# KiCad board 8851_HW-U1-VCU118_REV2-0_071417.kicad_pcb (continued)
## Routing (per net, layer and track width the routed paths; a pad name or vN(x,y) marks a point on that pad's centre or on a via; arc(x,y) is an arc through that point) (continued)
5340N35: length 4.3
  TOP w0.15: 211.85,112.57 212.41,112.57 212.71,112.28 212.71,111.63 v2(213.22,111.11) 214.21,111.11
  BOTTOM w0.15: 214.21,111.11 v2(213.22,111.11)
5340N44: length 2.1
  TOP w0.15: 208.94,113.8 207.98,113.8 207.64,113.46 206.97,113.46
5340N432: length 6.2
  TOP w0.15: v2(207.7,97.91) 207.67,97.88 206.83,97.88
  TOP w0.25: v2(209.21,101.17) 209.25,101.17 209.88,101.79 209.88,102.32
  BOTTOM w0.15: v2(207.7,97.91) 209.21,99.42 R1209.2 v2(209.21,101.17)
  vias: v2(211.21,108)
5340N433: length 3.9
  TOP w0.15: v3(213.5,100.86) 214.21,100.86
  TOP w0.175: 211.85,102.32 212.35,102.32 212.58,102.09 212.58,101.78 v3(213.5,100.86)
  BOTTOM w0.15: 214.21,100.86 v3(213.5,100.86)
5340N442: length 2.1
  TOP w0.175: 206.97,103.21 207.64,103.21 207.98,103.55 208.94,103.55
5340N809: length 6.3
  TOP w0.25: v2(209.21,90.92) 209.25,90.92 209.88,91.54 209.88,92.07
  TOP w0.375: 206.83,87.63 v2(207.83,87.63)
  BOTTOM w0.15: v2(209.21,90.92) R1210.2 209.21,89.01 v2(207.83,87.63)
  vias: v2(211.21,97.75)
5340N810: length 3.7
  TOP w0.15: v2(213.47,90.61) 214.21,90.61
  TOP w0.175: v2(213.47,90.61) 213.31,90.61 211.85,92.07
  BOTTOM w0.15: 214.21,90.61 v2(213.47,90.61)
5340N819: length 2.1
  TOP w0.212: 208.94,93.3 207.83,93.3 207.49,92.96 206.97,92.96
5340N1586: length 7.6
  TOP w0.25: v2(209.21,80.67) 209.25,80.67 209.88,81.29 209.88,81.82
  TOP w0.375: v3(205.88,79.72) 205.73,79.87 205.16,79.87 205.04,79.74
  BOTTOM w0.15: v2(209.21,80.67) R167.2 209.21,79.33 208.76,78.89 206.71,78.89 v3(205.88,79.72)
  vias: v2(211.21,87.5)
5340N1587: length 3.5
  TOP w0.212: 214.21,80.86 v2(213.47,80.86) 212.81,80.86 211.85,81.82
  BOTTOM w0.15: 214.21,80.86 v2(213.47,80.86)
5340N1593: length 2
  TOP w0.212: 206.97,82.96 207.74,82.96 207.83,83.05 208.94,83.05
CLK_125MHZ_N: length 105
  TOP w0.102: v3(163.16,15.49) 163.49,15.83 163.49,15.97 163.39,16.08 163.05,16.08 162.82,16.31 162.82,16.54 162.68,16.68 162.68,17.27 ; 132.62,64.31 v2(133.11,63.82)
  TOP w0.25: v3(162.95,20.19) 163.21,19.93 U122.17
  20_SIG7 w0.075: v2(133.11,63.82) 133.11,64.84 133.18,64.92 134.19,64.92 134.49,64.62 134.49,63.55 134.8,63.23 139.85,63.23 139.89,63.19 139.91,63.19
  20_SIG7 w0.087: 139.91,63.19 143.85,63.19 146.93,60.11 149.59,60.11 150.22,59.47 150.22,56.78 154.4,52.6 164.9,52.6 165.59,51.91 165.59,29.85 163.47,27.74 163.47,15.81 v3(163.16,15.49)
  BOTTOM w0.102: 151.34,59.18 148.49,59.18 148.12,59.56 145.4,59.56 142.28,62.67 142.28,63.62 140.74,65.16 133.92,65.16 133.57,64.81 133.27,64.81 133.11,64.64 v2(133.11,63.82)
CLK_125MHZ_P: length 105.7
  TOP w0.102: v3(164.07,15.49) 163.72,15.84 163.72,16.07 163.48,16.3 163.15,16.3 163.04,16.4 163.04,16.54 163.18,16.68 163.18,17.27 ; 132.62,65.3 v2(133.11,65.79)
  TOP w0.25: v3(164.72,20.7) 164.44,20.42 U122.18
  20_SIG7 w0.075: v2(133.11,65.79) 133.11,65.19 133.18,65.11 134.27,65.11 134.68,64.7 134.68,63.63 134.89,63.42 139.85,63.42 139.89,63.46 139.91,63.46
  20_SIG7 w0.087: v3(164.07,15.49) 163.75,15.81 163.75,27.62 165.86,29.73 165.86,52.03 165.01,52.88 154.51,52.88 150.5,56.89 150.5,59.59 149.7,60.39 147.04,60.39 143.97,63.46 139.91,63.46
  BOTTOM w0.102: v2(133.11,65.79) 133.11,65.14 133.21,65.03 133.47,65.03 133.83,65.39 140.83,65.39 142.51,63.71 142.51,62.77 145.49,59.78 148.13,59.78 148.52,60.17 151.34,60.17
  BOTTOM w0.375: 163.82,20.7 v3(164.72,20.7)
COMBINED_PGOOD: length 260.3
  TOP w0.375: 27.25,89.62 v3(26.3,89.62)
  05_SIG2 w0.375: v3(26.63,114.85) 28.77,117 28.77,121.7 34.35,127.28 34.35,130.55 33.55,131.35 33.55,139.28 34.62,140.35 37.52,140.35 38.77,141.6 38.77,145.38 39.75,146.35 42.3,146.35 43.68,147.73 43.68,151.47 v3(43,152.15)
  20_SIG7 w0.375: v3(43,152.15) 43.67,152.83 45.92,152.83 46.92,153.82 46.92,164.38 49.03,166.49 52.63,166.49 56.74,170.6 179.6,170.6 184.08,166.13 185.57,166.13 v3(187.96,163.73) 190.94,166.7 v3(192.07,166.7) ; v3(26.3,89.62) 26.3,91.72 27.45,92.88 34.5,92.88 35.95,94.33 35.95,103.47 34.75,104.68 34.75,112.08 33.95,112.88 33.2,112.88 32.07,114 30.25,114 29.45,114.8 29.45,115.22 28.82,115.85 27.62,115.85 v3(26.63,114.85)
  BOTTOM w0.375: 187.96,164.87 v3(187.96,163.73) ; 26.63,116.13 v3(26.63,114.85)
  vias: v3(194.57,166.7) v3(197.07,166.7) v3(199.57,166.7) v3(202.07,166.7)
COMBINED_PGOOD_LS: length 72.2
  TOP w0.15: 10.14,130.88 v6(9.75,130.48) ; U111.R10 v6(17.62,126.54) ; 27.25,85.98 v3(26.5,85.98)
  05_SIG2 w0.17: v3(26.5,85.98) 25.76,86.72 25.76,90.84 24.88,91.72 24.88,95.92 25.9,96.95 25.9,99.02 25.5,99.42 25.5,100.67 24.44,101.74 24.44,117.36 27.12,120.05 v3(27.12,120.3)
  18_SIG6 w0.087: v3(27.12,120.3) 25.44,118.61 14.12,118.61 12.63,120.1 12.63,123.41 11.15,124.89 11.15,125.82 10.84,126.13 9.5,126.13 9.22,126.42 9.22,129.95 v6(9.75,130.48)
  BOTTOM w0.15: 24.58,86.4 26.08,86.4 v3(26.5,85.98) 27.25,85.98 ; 26.63,121.88 26.63,120.8 v3(27.12,120.3)
CPU_RESET: length 147.3
  TOP w0.375: 104.07,60.38 v2(103.58,59.88) ; v3(137.61,96.97) 136.13,95.49 125.76,95.49 124.81,96.44 124.81,99.23 124.86,99.28 124.86,99.29 126.22,100.65 126.22,107.25 125.38,108.09 122.97,108.09 122.24,108.82 115.59,108.82 115.11,109.31 115.11,110.47 114.7,110.88 107.42,110.88 104.75,113.55 104.75,121.38 102.16,123.97 102.16,125.19 102.85,125.88 102.85,129.4 103.23,129.78 104.62,129.78 106.23,129.78 v3(106.6,129.4) 113.19,129.4 113.57,129.78
  05_SIG2 w0.225: 136.59,88.07 136.59,86.23 136.33,85.97 134.85,85.97 134.58,85.71 134.58,85.28 134.29,84.98 133.93,84.98 133.61,84.66 133.61,83.24 133.34,82.96 132.86,82.96 132.62,82.72 132.62,82.27 132.38,82.03 131.8,82.03 131.63,81.86 131.63,81.29 131.39,81.05 130.85,81.05 130.65,80.84 130.65,80.28 130.43,80.06 129.94,80.06 129.66,79.78 129.66,79.33 129.41,79.08 128.93,79.08 128.68,78.82 128.68,77.37 128.41,77.11 126.94,77.11 126.71,76.88 126.71,76.35 126.48,76.12 117.02,76.12 116.37,75.47 116.37,60.74 116,60.38 104.36,60.38 103.87,59.88 v2(103.58,59.88)
  05_SIG2 w0.375: v3(137.61,96.97) 136.82,96.18 136.82,88.31 136.59,88.07
  BOTTOM w0.375: v3(106.6,129.4) 106.58,129.43 105.49,129.43
DDR4_C1_A0: length 153.7
  TOP w0.15: v2(96.69,54.96) 97.18,55.46
  TOP w0.275: 77.82,99.72 v3(77.82,98.8)
  07_SIG3 w0.17: v1(68.86,92.35) 68.46,91.96 68.46,88.59 68.55,88.51 68.91,88.51 69.03,88.38 69.03,87.72 68.95,87.64 68.56,87.64 68.46,87.54 68.46,78.87 v1(68.86,78.48) 68.46,78.08 68.46,65 v1(68.86,64.6) 68.46,64.21 68.46,61.45 68.91,61 69.87,61 70.23,60.64 70.23,60.01 70.08,59.86 69.74,59.86 69.59,59.71 69.59,59.5 69.74,59.35 70.08,59.35 70.23,59.2 70.23,57.87 69.96,57.61 69.57,57.61 68.46,56.51 68.46,51.12 v1(68.86,50.73) 68.46,50.33 68.46,47.84 67.67,46.17 67.67,38.87 v1(68.86,36.85)
  20_SIG7 w0.087: 99.15,41.9 99.15,50.16 98.78,50.53 98.41,50.53 98.15,50.79 98.15,53.3 97.97,53.49 97.47,53.49 97.18,53.78 97.18,54.38 96.69,54.87 v2(96.69,54.96) ; v1(68.86,36.85) 68.46,36.46 67.12,36.46
  20_SIG7 w0.155: 67.12,36.46 66.27,35.61 66.27,33.03 68.53,30.77 81.39,30.77 81.94,30.23 93.93,30.23 95.16,31.45 95.16,33.33 96.09,34.27 97.26,34.27 98.2,35.2 98.2,40.38 99.15,41.33 99.15,41.9
  BOTTOM w0.15: 69.25,36.46 v1(68.86,36.85) ; 69.25,50.33 v1(68.86,50.73) ; 69.25,64.21 v1(68.86,64.6) ; 69.25,91.96 v1(68.86,92.35) 69.78,93.27 80.33,93.27 ; 69.25,78.08 v1(68.86,78.48)
  BOTTOM w0.275: 80.33,93.27 80.97,93.27 82.83,95.12 82.83,99.1 82.54,99.39 78.4,99.39 v3(77.82,98.8)
DDR4_C1_A1: length 145.7
  TOP w0.15: v2(94.72,55.95) 95.21,56.44
  TOP w0.275: 76.82,103.1 76.82,102.66 76.58,102.43 v3(76.26,102.43)
  03_SIG1 w0.17: v1(68.86,94.71) 69.25,95.11 69.25,97.24 69.62,97.61 69.62,97.8
  03_SIG1 w0.287: 69.62,97.8 69.61,97.81 69.61,99.24 70.75,100.37 70.75,100.77 71.22,101.25 71.22,102.5 72.37,103.65 75.44,103.65 76.26,102.83 v3(76.26,102.43)
  14_SIG4 w0.087: 71.61,41.86 71.61,41.42 71.38,41.19 71.06,41.19 70.88,41.01 70.88,41 70.39,40.51 70.39,39.35 69.85,38.81 69.26,38.81 v1(68.86,39.21) ; v2(94.72,55.95) 94.23,55.46 93.51,55.46 93.39,55.34 92.9,55.34
  14_SIG4 w0.155: 71.61,41.86 72.01,42.25 72.01,42.78 71.89,42.9 71.18,42.9 71.06,43.02 71.06,43.27 71.18,43.39 71.89,43.39 72.01,43.51 72.01,44.33 71.89,44.46 71.1,44.46 70.97,44.58 70.97,44.82 71.1,44.95 71.89,44.95 72.01,45.07 72.01,46.19 72.16,46.34 72.46,46.34 72.6,46.21 72.6,42.52 72.72,42.4 72.97,42.4 73.09,42.52 73.09,45.77 73.21,45.89 73.46,45.89 73.58,45.77 73.58,42.52 73.7,42.4 73.95,42.4 74.07,42.52 74.07,43.71 74.19,43.83 75.19,43.83 75.31,43.95 75.31,44.2 75.19,44.32 74.19,44.32 74.07,44.44 74.07,44.69 74.19,44.81 75.19,44.81 75.31,44.93 75.31,45.18 75.19,45.3 74.19,45.3 74.07,45.42 74.07,45.77 74.19,45.89 75.65,45.89 75.79,45.75 75.79,44.95 75.92,44.82 76.32,44.82 76.45,44.95 76.45,46.39 76.71,46.65 78.69,46.65 78.81,46.77 78.81,46.97 78.94,47.09 79.18,47.09 79.3,46.97 79.3,46.77 79.43,46.65 80.05,46.65 83.61,50.21 84.17,50.21 89.54,55.58 91.74,55.58 91.98,55.34 92.9,55.34
  16_SIG5 w0.087: v1(68.86,94.71) 68.46,94.32 68.46,88.6 67.68,87.81 67.68,85.29 67.59,85.2 67.41,85.2 67.32,85.11 67.32,84.85 67.41,84.76 67.59,84.76 67.68,84.68 67.68,82.17 67.83,82.02 68.32,82.02 68.46,81.88 68.46,81.23 v1(68.86,80.84) 68.46,80.45 68.46,74.37 68.59,74.24 68.59,73.32 68.46,73.19 68.46,67.36 v1(68.86,66.96) 68.46,66.57 68.46,64.44 68.23,64.21 67.91,64.21 67.67,63.97 67.67,61.47 67.5,61.3 67.27,61.3 67.1,61.13 67.1,60.79 67.27,60.62 67.5,60.62 67.67,60.45 67.67,60.11 67.5,59.94 67.27,59.94 67.1,59.77 67.1,59.43 67.27,59.26 67.5,59.26 67.67,59.09 67.67,58.75 67.5,58.58 67.27,58.58 67.1,58.41 67.1,58.07 67.27,57.9 67.5,57.9 67.67,57.73 67.67,54.5 67.91,54.27 68.23,54.27 68.44,54.06 68.46,54.06 68.46,53.48 v1(68.86,53.09) 68.46,52.69 68.46,49.78 68.23,49.55 67.91,49.55 67.67,49.31 67.67,48.99 67.44,48.76 67.12,48.76 66.61,48.25 66.61,47.39 66.78,47.22 67.09,47.22 67.26,47.05 67.26,46.71 67.09,46.54 66.78,46.54 66.61,46.37 66.61,43.59 68.46,41.74 68.46,41.42 68.69,41.18 69.02,41.18 69.25,40.95 69.25,39.61 v1(68.86,39.21)
  BOTTOM w0.15: 69.25,67.36 v1(68.86,66.96) ; 69.25,95.11 v1(68.86,94.71) ; 69.25,81.23 v1(68.86,80.84) ; 69.25,39.61 v1(68.86,39.21) ; 69.25,53.48 v1(68.86,53.09)
DDR4_C1_A2: length 147.3
  TOP w0.15: v2(94.72,56.93) 95.21,57.42 95.21,57.42
  TOP w0.275: 82.32,99.72 82.32,98.94 v3(82.2,98.82)
  07_SIG3 w0.17: v1(68.07,36.85) 66.89,38.03 66.89,44.94 66.94,44.99 67.21,44.99 67.3,45.08 67.3,45.55 67.2,45.65 66.98,45.65 66.89,45.74 66.89,47.04 67.67,47.83 67.67,50.33 v1(68.07,50.73) 67.67,51.12 67.67,55.98 67.44,56.21 66.98,56.21 66.81,56.38 66.81,57.78 67.13,58.1 67.56,58.1 67.66,58.2 67.66,59.84 67.57,59.93 66.67,59.93 66.59,60.01 66.59,61.09 66.8,61.3 67.46,61.3 67.67,61.51 67.67,64.21 v1(68.07,64.6) 67.67,65 67.67,78.08 v1(68.07,78.48) 67.67,78.87 67.67,87.22 67.59,87.31 67.17,87.31 67.03,87.45 67.03,88.24 67.12,88.33 67.59,88.33 67.67,88.41 67.67,91.96 v1(68.07,92.35)
  16_SIG5 w0.087: v2(94.72,56.93) 95.01,56.93 95.5,57.42 95.91,57.42 96.2,57.14 96.2,56.73 96.49,56.44 97.88,56.44 98.17,56.15 98.17,55.83 98.17,55.74 98.45,55.46 98.54,55.46 98.86,55.46 99.15,55.17 99.15,54.85 99.15,54.76 99.44,54.47 99.53,54.47 99.53,54.47 99.85,54.47 100.13,54.18 100.13,53.78 99.85,53.49 99.44,53.49 99.15,53.2 99.15,52.89 99.15,41.87 99.03,41.75 ; 80.33,34.72 80.24,34.72 80.08,34.88 68.69,34.88 68.46,35.11 68.46,36.71 68.32,36.85 v1(68.07,36.85)
  16_SIG5 w0.155: 99.03,41.75 91.11,33.83 89.35,33.83 88.91,34.28 88.91,35.79 87.74,36.95 85.71,36.95 84.8,36.04 84.8,34.69 83.81,33.71 82.68,33.71 81.66,34.72 80.33,34.72
  BOTTOM w0.15: 80.33,93.86 68.73,93.86 68.07,93.19 v1(68.07,92.35) 68.46,91.96 ; 68.46,36.46 v1(68.07,36.85) ; 68.46,78.08 v1(68.07,78.48) ; 68.46,50.33 v1(68.07,50.73) ; 68.46,64.21 v1(68.07,64.6)
  BOTTOM w0.275: v3(82.2,98.82) 82.2,95.73 80.33,93.86
DDR4_C1_A3: length 139.3
  TOP w0.15: v2(95.71,54.96) 96.2,55.46
  TOP w0.275: 73.32,99.72 73.32,98.94 73.46,98.8 v3(73.54,98.8)
  05_SIG2 w0.17: v1(69.64,94.71) 70.82,95.9 71.38,95.9 71.61,96.13 71.61,97.24 72.02,97.65 72.93,97.65 73.54,98.26 v3(73.54,98.8)
  16_SIG5 w0.087: 81,37.3 78.8,37.3 78.63,37.47 78.63,38 78.46,38.17 78.12,38.17 77.95,38 77.95,37.47 77.78,37.3 77.44,37.3 77.27,37.47 77.27,38.32 77.11,38.48 76.77,38.48 76.59,38.31 76.59,37.47 76.42,37.3 76.08,37.3 75.91,37.47 75.91,38.32 75.75,38.48 75.41,38.48 75.23,38.31 75.23,37.47 75.06,37.3 74.72,37.3 74.55,37.47 74.55,38.32 74.39,38.48 74.05,38.48 73.87,38.31 73.87,37.47 73.7,37.3 73.42,37.3 72.58,36.46 70.27,36.46 70.04,36.69 70.04,37.2 69.64,37.59 v1(69.64,39.21) 70.03,39.61 70.03,42.34 69.83,42.54 68.97,42.54 68.5,43.02 68.5,44.25 68.67,44.42 69.18,44.42 69.35,44.59 69.35,44.93 69.18,45.1 68.67,45.1 68.5,45.27 68.5,45.58 68.69,45.77 69.04,45.77 69.16,45.89 69.16,47.24 69.3,47.38 69.8,47.38 70.03,47.61 70.03,52.7 v1(69.64,53.09) 70.03,53.48 70.03,56.55 69.86,56.72 69.14,56.72 68.97,56.89 68.97,57.23 69.14,57.4 69.86,57.4 70.03,57.57 70.03,59.84 69.89,59.98 69.49,59.98 69.25,60.22 69.25,62.4 69.48,62.63 69.81,62.63 70.03,62.86 70.03,66.57 v1(69.64,66.96) 70.03,67.36 70.03,80.45 v1(69.64,80.84) 70.03,81.23 70.03,83.98 69.53,84.49 69.1,84.49 68.93,84.66 68.93,85 69.1,85.17 69.53,85.17 69.69,85.34 69.69,89.49 70.03,89.83 70.03,92.51 69.64,92.91 v1(69.64,94.71) ; v2(95.71,54.96) 95.21,54.47 95.21,42.88
  16_SIG5 w0.155: 95.21,42.88 95.21,39.91 95.03,39.73 94.46,39.73 94.22,39.97 94.22,43.51 94.12,43.61 93.74,43.61 93.61,43.48 93.61,39.62 92.63,38.64 84.56,38.64 83.67,39.53 83.29,39.53 82.68,38.91 82.68,38.5 83.56,37.62 83.56,37.12 82.84,36.4 82.51,36.4 81.98,36.93 81.98,37.28 81.76,37.5 81.3,37.5 81.11,37.3 81,37.3
  BOTTOM w0.15: 70.04,81.23 v1(69.64,80.84) ; 70.04,95.11 v1(69.64,94.71) ; 70.04,67.36 v1(69.64,66.96) ; 70.04,53.48 v1(69.64,53.09) ; 70.04,39.61 v1(69.64,39.21)
DDR4_C1_A4: length 145.8
  TOP w0.15: v2(95.71,55.95) 96.2,56.44
  TOP w0.275: 75.32,99.72 v3(75.32,98.8)
  07_SIG3 w0.17: 73.35,97.8 73.08,97.53 71.03,97.53 70.7,97.19 70.7,96.35 70.16,95.82 70.16,92.87 v1(69.64,92.35)
  07_SIG3 w0.287: v3(75.32,98.8) 75.32,98.21 75.18,98.07 73.62,98.07 73.35,97.8
  18_SIG6 w0.087: v1(69.64,36.85) 69.64,38.56 70.03,38.95 70.03,44.89 70.2,45.06 71.4,45.06 71.57,45.23 71.57,45.57 71.4,45.74 70.2,45.74 70.03,45.91 70.03,50.12 69.64,50.51 v1(69.64,50.73) 69.64,52.17 70.03,52.56 70.03,57.22 70.43,57.62 70.43,58.7 70.58,58.85 70.92,58.85 71.11,58.65 71.11,58.48 71.28,58.31 71.54,58.31 71.67,58.44 71.67,60.12 70.82,60.97 70.82,62.4 70.59,62.63 70.27,62.63 70.03,62.87 70.03,64 69.64,64.39 v1(69.64,64.6) 69.64,65.37 70.03,65.76 70.03,73.76 69.95,73.85 69.82,73.85 69.73,73.93 69.73,74.2 69.82,74.28 69.95,74.28 70.03,74.37 70.03,77.85 69.64,78.24 v1(69.64,78.48) 69.64,79.49 70.03,79.89 70.03,84.63 69.69,84.97 69.69,87.29 69.87,87.46 70.3,87.46 70.47,87.63 70.47,87.97 70.3,88.14 69.87,88.14 69.69,88.31 69.69,89.28 70.03,89.62 70.03,91.96 v1(69.64,92.35)
  20_SIG7 w0.087: v1(69.64,36.85) 69.25,36.46 69.25,35.9 69.02,35.67 67.12,35.67 66.89,35.44 ; v2(95.71,55.95) 95.71,55.66 96.2,55.17 96.2,53.78 96.49,53.49 96.92,53.49 97.18,53.23 97.18,50.72 97.37,50.53 97.88,50.53 98.17,50.24 98.17,42.05
  20_SIG7 w0.155: 66.89,35.44 66.89,34.29 67.05,34.12 67.05,33.37 68.86,31.56 83.3,31.56 83.84,31.01 91.54,31.01 92.58,32.05 92.58,34.08 92.98,34.49 93.39,34.49 93.67,34.21 94.1,34.21 94.54,34.65 94.54,34.96 94.2,35.3 94.2,35.71 94.61,36.11 95.02,36.11 95.33,35.8 96.52,35.8 97.2,36.48 97.2,40.69 98.17,41.65 98.17,42.05
  BOTTOM w0.15: 70.04,78.08 v1(69.64,78.48) ; 70.04,36.46 v1(69.64,36.85) ; 70.04,91.96 v1(69.64,92.35) ; 70.04,50.33 v1(69.64,50.73) ; 70.04,64.21 v1(69.64,64.6)
  BOTTOM w0.375: 74.76,55.06 v1(75.15,55.45) ; 74.76,41.18 v1(75.15,41.58) ; 74.76,82.81 v1(75.15,83.2) ; 74.76,96.68 v1(75.15,97.08) ; 74.76,68.93 v1(75.15,69.33)
DDR4_C1_A5: length 135.1
  TOP w0.15: v2(93.74,53.98) 94.23,54.47
  TOP w0.275: 74.32,103.1 v3(74.32,102.34)
  07_SIG3 w0.17: v1(68.86,40.79) 69.25,41.18 69.25,43.08 69.45,43.28 69.45,44.44 69.25,44.64 69.25,54.27 v1(68.86,54.66) 69.25,55.06 69.25,56.69 69.64,57.08 70.7,57.08 70.83,57.21 70.83,59.24 70.98,59.39 71.15,59.39 71.3,59.54 71.3,59.75 71.15,59.9 70.98,59.9 70.83,60.05 70.83,61.23 70.54,61.51 69.55,61.51 69.25,61.82 69.25,68.15 v1(68.86,68.54) 69.25,68.93 69.25,70.95 69.58,71.28 69.58,72.08 69.25,72.41 69.25,82.02 v1(68.86,82.41) 69.25,82.81 69.25,84.52 69.1,84.67 69.1,87.17 69.33,87.41 69.79,87.41 69.94,87.56 69.94,88.72 69.83,88.83 69.34,88.83 69.25,88.92 69.25,95.9 v1(68.86,96.29) 69.25,96.68 69.92,96.68 70.11,96.87 70.11,97.64 70.27,97.8
  07_SIG3 w0.287: v3(74.32,102.34) 73.73,101.75 73.73,100.04 72.92,99.23 72.92,98.46 72.64,98.18 70.65,98.18 70.27,97.8
  20_SIG7 w0.087: v1(68.86,40.79) 69.25,40.39 69.81,40.39 70.22,39.98 70.22,38.46 71.61,37.07 71.61,36.69 71.84,36.46 72.31,36.46 72.64,36.12 72.64,35.27 73.03,34.88 80.33,34.88
  20_SIG7 w0.155: v2(93.74,53.98) 91.68,53.98 90.02,52.32 90.02,51.28 89.73,51 87.89,51 87.64,50.75 87.64,50.09 87.89,49.85 89.73,49.85 90.02,49.56 90.02,48.98 89.73,48.7 87.89,48.7 87.64,48.45 87.64,47.79 87.89,47.55 89.73,47.55 90.02,47.26 90.02,46.68 89.73,46.4 87.89,46.4 87.64,46.15 87.64,45.49 87.89,45.25 89.73,45.25 90.02,44.96 90.02,44.38 89.73,44.1 87.89,44.1 87.64,43.85 87.64,43.19 87.89,42.95 89.79,42.95 90.08,42.65 90.08,42.3 82.66,34.88 80.33,34.88
  BOTTOM w0.15: 69.25,82.02 v1(68.86,82.41) ; 69.25,95.9 v1(68.86,96.29) ; 69.25,54.27 v1(68.86,54.66) ; 69.25,68.15 v1(68.86,68.54) ; 69.25,40.4 v1(68.86,40.79)
DDR4_C1_A6: length 146.4
  TOP w0.15: v2(93.74,54.96) 94.23,55.46
  TOP w0.275: v3(78.41,102.28) 78.07,102.62 78.07,103.1
  03_SIG1 w0.17: 73.57,97.8 73.19,97.42 73.19,94.28 71.72,92.82 71.61,92.71 71.61,92.19 71.38,91.96 71.06,91.96 71.05,91.96 70.82,91.73 70.82,91.72 70.82,91.4 70.59,91.17 70.27,91.17 70.04,90.94 70.04,90.61 69.81,90.38 69.25,90.38 v1(68.86,90.78)
  03_SIG1 w0.287: 73.57,97.8 74.03,98.27 74.03,99.44 74.72,100.12 75.67,100.12 77.57,102.02 78.16,102.02 v3(78.41,102.28)
  18_SIG6 w0.087: v1(68.86,90.78) 68.46,90.38 68.46,89.31 67.68,88.53 67.68,77.53 67.91,77.29 68.23,77.29 68.62,76.9 v1(68.86,76.9) 68.46,76.51 68.46,75.81 67.68,75.03 67.68,63.65 67.91,63.42 68.23,63.42 68.62,63.03 v1(68.86,63.03) 68.46,62.63 68.46,60.93 68.59,60.8 68.82,60.8 69.04,60.58 69.04,60.06 68.78,59.8 68.16,59.8 67.68,59.31 67.68,52.77 67.51,52.6 67.04,52.6 66.87,52.43 66.87,51.3 67,51.18 67.41,51.18 67.68,50.91 67.68,49.78 67.91,49.54 68.23,49.54 68.62,49.15 v1(68.86,49.15) 68.46,48.76 68.46,47.98 66.54,46.06 66.54,40.57 66.71,40.4 67.54,40.4 67.68,40.26 67.68,39.03 66.9,38.26 66.9,37.87 67.68,37.1 67.68,35.9 67.91,35.67 68.23,35.67 68.62,35.28 v1(68.86,35.28)
  20_SIG7 w0.087: v2(93.74,54.96) 93.74,54.67 94.23,54.18 94.23,53.78 93.94,53.49 93.43,53.49 93.29,53.36 ; v1(68.86,35.28) 69.25,34.88 69.81,34.88 70.03,34.65 70.03,34.33
  20_SIG7 w0.155: 93.29,53.36 92.13,52.19 92.13,49.95 91.84,49.66 91.11,49.66 90.83,49.37 90.83,48.8 91.11,48.51 91.92,48.51 92.2,48.22 92.2,47.65 91.92,47.36 91.11,47.36 90.83,47.07 90.83,46.5 91.11,46.21 91.84,46.21 92.13,45.92 92.13,45.35 91.84,45.06 91.11,45.06 90.83,44.77 90.83,44.2 91.11,43.91 91.84,43.91 92.13,43.62 92.13,43.12 91.88,42.87 91.88,42.47 93.12,41.23 93.12,40.83 92.71,40.42 92.3,40.42 91.07,41.65 90.66,41.65 90.26,41.25 90.26,40.84 91.49,39.61 91.49,39.2 91.08,38.79 90.68,38.79 89.44,40.03 89.04,40.03 88.63,39.62 88.63,39.21 89.87,37.98 89.87,37.57 89.46,37.17 89.05,37.17 87.82,38.4 87.41,38.4 82.59,33.58 70.78,33.58 70.03,34.33
  BOTTOM w0.15: 69.25,35.67 v1(68.86,35.28) ; 69.25,77.3 v1(68.86,76.9) ; 69.25,91.17 v1(68.86,90.78) ; 69.25,49.55 v1(68.86,49.15) ; 69.25,63.42 v1(68.86,63.03)
DDR4_C1_A7: length 145.5
  TOP w0.15: v2(93.74,55.95) 94.23,56.44
  TOP w0.275: v3(78.68,98.8) 78.68,99.5 78.9,99.72 79.57,99.72
  05_SIG2 w0.17: 71.38,97.8 70.82,97.24 70.82,96.91 69.81,95.9 68.46,95.9 v1(68.07,96.29)
  05_SIG2 w0.287: 71.38,97.8 71.84,98.26 72.57,98.26 72.91,98.59 72.91,99.03 73.29,99.41 78.08,99.41 v3(78.68,98.8)
  14_SIG4 w0.087: 92.9,56.05 93.01,55.95 v2(93.74,55.95) ; v1(68.07,40.79) 68.46,40.4 69.86,40.4 70.63,41.17 70.63,45.46
  14_SIG4 w0.155: 92.9,56.05 92.45,56.5 88.21,56.5 87.93,56.22 87.93,54.97 87.73,54.78 87.31,54.78 87.08,55.01 87.08,55.62 86.85,55.85 86.46,55.85 86.23,55.62 86.23,53.21 85.72,52.7 85.1,52.7 84.85,52.95 84.85,54.32 84.65,54.53 80.58,54.53 80.4,54.35 80.4,52.78 80.61,52.57 81.19,52.57 81.65,53.03 82.44,53.03 82.9,52.57 83.46,52.57 83.67,52.35 83.67,51.93 83.46,51.72 83,51.72 82.85,51.56 82.85,50.4 82.62,50.17 82.28,50.17 82.03,50.42 82.03,51.45 81.76,51.72 80.99,51.72 80.77,51.5 80.77,48.43 80.18,47.84 77.5,47.84 77.38,47.72 77.38,47.26 77.26,47.14 77.01,47.14 76.89,47.26 76.89,47.72 76.77,47.84 76.06,47.84 75.94,47.72 75.94,46.55 75.82,46.43 75.57,46.43 75.45,46.55 75.45,47.72 75.33,47.84 75.08,47.84 74.96,47.72 74.96,46.55 74.84,46.43 74.59,46.43 74.47,46.55 74.47,47.72 74.35,47.84 74.1,47.84 73.98,47.72 73.98,46.55 73.86,46.43 73.61,46.43 73.49,46.55 73.49,47.72 73.37,47.84 73,47.84 70.63,45.46
  20_SIG7 w0.087: v1(68.07,40.79) 67.68,41.18 67.68,42.27 67.22,42.73 67.09,42.73 66.83,42.47 66.71,42.47 66.52,42.65 66.52,42.78 66.79,43.04 66.79,43.16 65.35,44.6 65.35,49.87 67.68,52.2 67.68,54.27 v1(68.07,54.66) 67.67,55.06 67.67,55.67 66.74,56.6 66.74,57.27 66.91,57.44 67.6,57.44 67.76,57.6 67.76,57.94 67.58,58.12 66.91,58.12 66.74,58.29 66.74,59.08 66.5,59.32 66.5,66.88 66.98,67.36 67.54,67.36 67.67,67.49 67.67,68.14 v1(68.07,68.54) 68.46,68.93 68.46,70.46 68.13,70.79 68.13,71.69 68.46,72.02 68.46,73.52 68.37,73.61 68.28,73.61 68.19,73.7 68.19,73.96 68.28,74.05 68.37,74.05 68.46,74.14 68.46,74.4 68.37,74.49 68.28,74.49 68.19,74.57 68.19,74.84 68.28,74.92 68.37,74.92 68.46,75.01 68.46,82.02 v1(68.07,82.41) 67.68,82.81 67.68,86.29 67.51,86.46 67.2,86.46 67.03,86.63 67.03,86.97 67.2,87.14 67.51,87.14 67.68,87.31 67.68,87.89 67.51,88.06 67.2,88.06 67.03,88.23 67.03,88.57 67.2,88.74 67.51,88.74 67.68,88.91 67.68,95.9 v1(68.07,96.29)
  BOTTOM w0.15: 68.46,68.15 v1(68.07,68.54) ; 68.46,95.9 v1(68.07,96.29) ; 68.46,54.27 v1(68.07,54.66) ; 68.46,82.02 v1(68.07,82.41) ; 68.46,40.4 v1(68.07,40.79)
DDR4_C1_A8: length 156.3
  TOP w0.15: 94.23,57.42 94.23,57.42 v2(93.74,56.93)
  TOP w0.275: 81.82,103.1 v3(81.82,102.31)
  03_SIG1 w0.17: 68.46,97.8 68.46,91.4 68.07,91.01 v1(68.07,90.78)
  03_SIG1 w0.287: 68.46,97.8 68.46,99.54 69.89,100.97 69.89,102.83 71.38,104.31 77.16,104.31 77.95,103.51 80.62,103.51 v3(81.82,102.31)
  16_SIG5 w0.087: 68.75,34.05 68.61,34.14 68.46,34.4 68.46,34.68 68.07,35.08 v1(68.07,35.28) ; v2(93.74,56.93) 94.02,56.93 94.51,57.42 94.88,57.42 94.88,57.42 94.92,57.42 95.21,57.71 95.21,57.75 95.21,57.75 95.21,58.12 95.5,58.41 95.91,58.41 96.2,58.12 96.2,58.09 96.2,58.09 96.2,57.71 96.49,57.42 96.52,57.42 97.88,57.42 98.17,57.14 98.17,56.73 98.45,56.44 98.51,56.44 98.51,56.44 98.86,56.44 99.15,56.15 99.15,56.14 99.15,56.14 99.15,55.76 99.15,55.74 99.44,55.46 99.45,55.46 99.85,55.46 100.13,55.17 100.14,54.76 100.42,54.47 100.83,54.47 101.12,54.18 101.12,52.79 100.83,52.5 100.58,52.5 100.42,52.5 100.13,52.21 100.13,41.74 99.98,41.59
  16_SIG5 w0.155: 68.75,34.05 69.51,33.55 80.35,33.55 81.94,32.89 89.73,32.89 89.89,33.04 91.44,33.04 99.98,41.59
  18_SIG6 w0.087: v1(68.07,35.28) 67.87,35.28 67.47,35.67 67.12,35.67 64.78,38.01 64.78,40.64 65.25,41.12 65.25,43.39 65.53,43.68 65.65,43.68 66.02,44.05 66.02,44.46 65.25,45.23 65.25,45.78 67.67,48.2 67.67,48.76 v1(68.07,49.15) 67.87,49.15 67.47,49.55 67.04,49.55 66.87,49.71 66.87,50.37 66.5,50.73 66.5,56.11 66.67,56.28 66.9,56.28 67.07,56.45 67.07,56.79 66.9,56.96 66.67,56.96 66.5,57.13 66.5,57.47 66.67,57.64 66.9,57.64 67.07,57.81 67.07,58.15 66.9,58.32 66.67,58.32 66.5,58.49 66.5,59.14 66.87,59.5 66.87,61.01 67.67,61.82 67.67,62.63 v1(68.07,63.03) 67.87,63.03 67.47,63.42 67.12,63.42 66.87,63.67 66.87,74.86 67.67,75.67 67.67,76.51 v1(68.07,76.9) 67.84,76.9 67.44,77.29 67.12,77.29 66.89,77.53 66.89,88.67 67.67,89.46 67.67,90.38 v1(68.07,90.78)
  BOTTOM w0.15: 68.46,91.17 v1(68.07,90.78) ; 68.46,49.55 v1(68.07,49.15) ; 68.46,63.42 v1(68.07,63.03) ; 68.46,35.67 v1(68.07,35.28) ; 68.46,77.3 v1(68.07,76.9)
DDR4_C1_A9: length 154.6
  TOP w0.15: 95.21,53.49 v2(94.72,52.99)
  TOP w0.275: 83.07,103.1 83.07,102.58 v3(83.26,102.39)
  03_SIG1 w0.17: 67.57,97.8 67.67,97.7 67.67,95.11 v1(68.07,94.71)
  03_SIG1 w0.287: 67.57,97.8 67.28,98.09 67.28,99.47 68.69,100.88 68.69,103.37 70.29,104.97 77.43,104.97 78.23,104.17 81.08,104.17 82.86,102.39 v3(83.26,102.39)
  07_SIG3 w0.17: v1(68.07,39.21) 69.71,37.58 70.45,37.58 71.7,38.82 72.17,38.82 72.4,39.05 72.4,42.1 ; 92.9,51.94 93.46,52.5 94.23,52.5 v2(94.72,52.99)
  07_SIG3 w0.287: 72.4,42.1 72.4,43.52 72.57,43.69 74.43,43.69 74.6,43.86 74.6,44.1 74.43,44.26 72.57,44.26 72.4,44.43 72.4,44.67 72.57,44.84 74.43,44.84 74.6,45.01 74.6,45.25 74.43,45.41 72.57,45.41 72.4,45.58 72.4,45.82 72.57,45.99 74.43,45.99 74.6,46.16 74.6,46.4 74.43,46.56 72.57,46.56 72.4,46.73 72.4,47.13 72.83,47.57 75.1,47.57 75.27,47.4 75.27,44.72 75.44,44.55 75.67,44.55 75.84,44.72 75.84,47.4 76.01,47.57 80.55,47.57 81.18,48.19 81.18,48.43 80.75,48.86 80.75,49.1 80.92,49.27 81.15,49.27 81.58,48.84 81.82,48.84 82.62,49.63 82.62,49.87 82.02,50.48 82.02,50.72 82.18,50.88 82.42,50.88 82.93,50.38 84.33,50.38 85.71,51.76 92.72,51.76 92.9,51.94
  16_SIG5 w0.087: 66.5,48.94 67.11,49.54 67.44,49.54 67.68,49.78 67.68,52.7 v1(68.07,53.09) 67.68,53.48 66.84,53.48 66.65,53.67 66.65,56.2 66.74,56.29 67.21,56.29 67.3,56.38 67.3,56.64 67.21,56.73 66.74,56.73 66.65,56.81 66.65,57.16 66.74,57.25 67.04,57.25 67.12,57.34 67.12,57.6 67.04,57.69 66.74,57.69 66.65,57.77 66.65,63.74 67.12,64.21 67.44,64.21 67.68,64.44 67.68,66.57 v1(68.07,66.96) 67.68,67.36 67.68,73.52 67.76,73.6 67.99,73.6 68.08,73.69 68.08,73.95 67.99,74.04 67.76,74.04 67.68,74.13 67.68,80.45 v1(68.07,80.84) 67.67,81.23 67.06,81.23 66.88,81.41 66.88,87.79 67.68,88.58 67.68,94.32 v1(68.07,94.71) ; 66.5,41.62 66.94,41.18 68.23,41.18 68.46,40.95 68.46,39.61 v1(68.07,39.21)
  16_SIG5 w0.155: 66.5,41.62 66.18,41.94 66.18,43.27 65.39,44.06 65.39,47.83 66.5,48.94
  BOTTOM w0.15: 68.46,81.23 v1(68.07,80.84) ; 68.46,95.11 v1(68.07,94.71) ; 68.46,39.61 v1(68.07,39.21) ; 68.46,53.48 v1(68.07,53.09) ; 68.46,67.36 v1(68.07,66.96)